# Altium PCB PIFWRobot.PcbDoc (part 1 of 2)
Units mil, origin at the board's own origin, x right, y up, seen from the top; angles counter-clockwise.
Board outline 3937.01 x 2755.91 mil, 2 copper layers (Top Layer, Bottom Layer); 153 components, 152 nets, 627 pads, 229 vias.
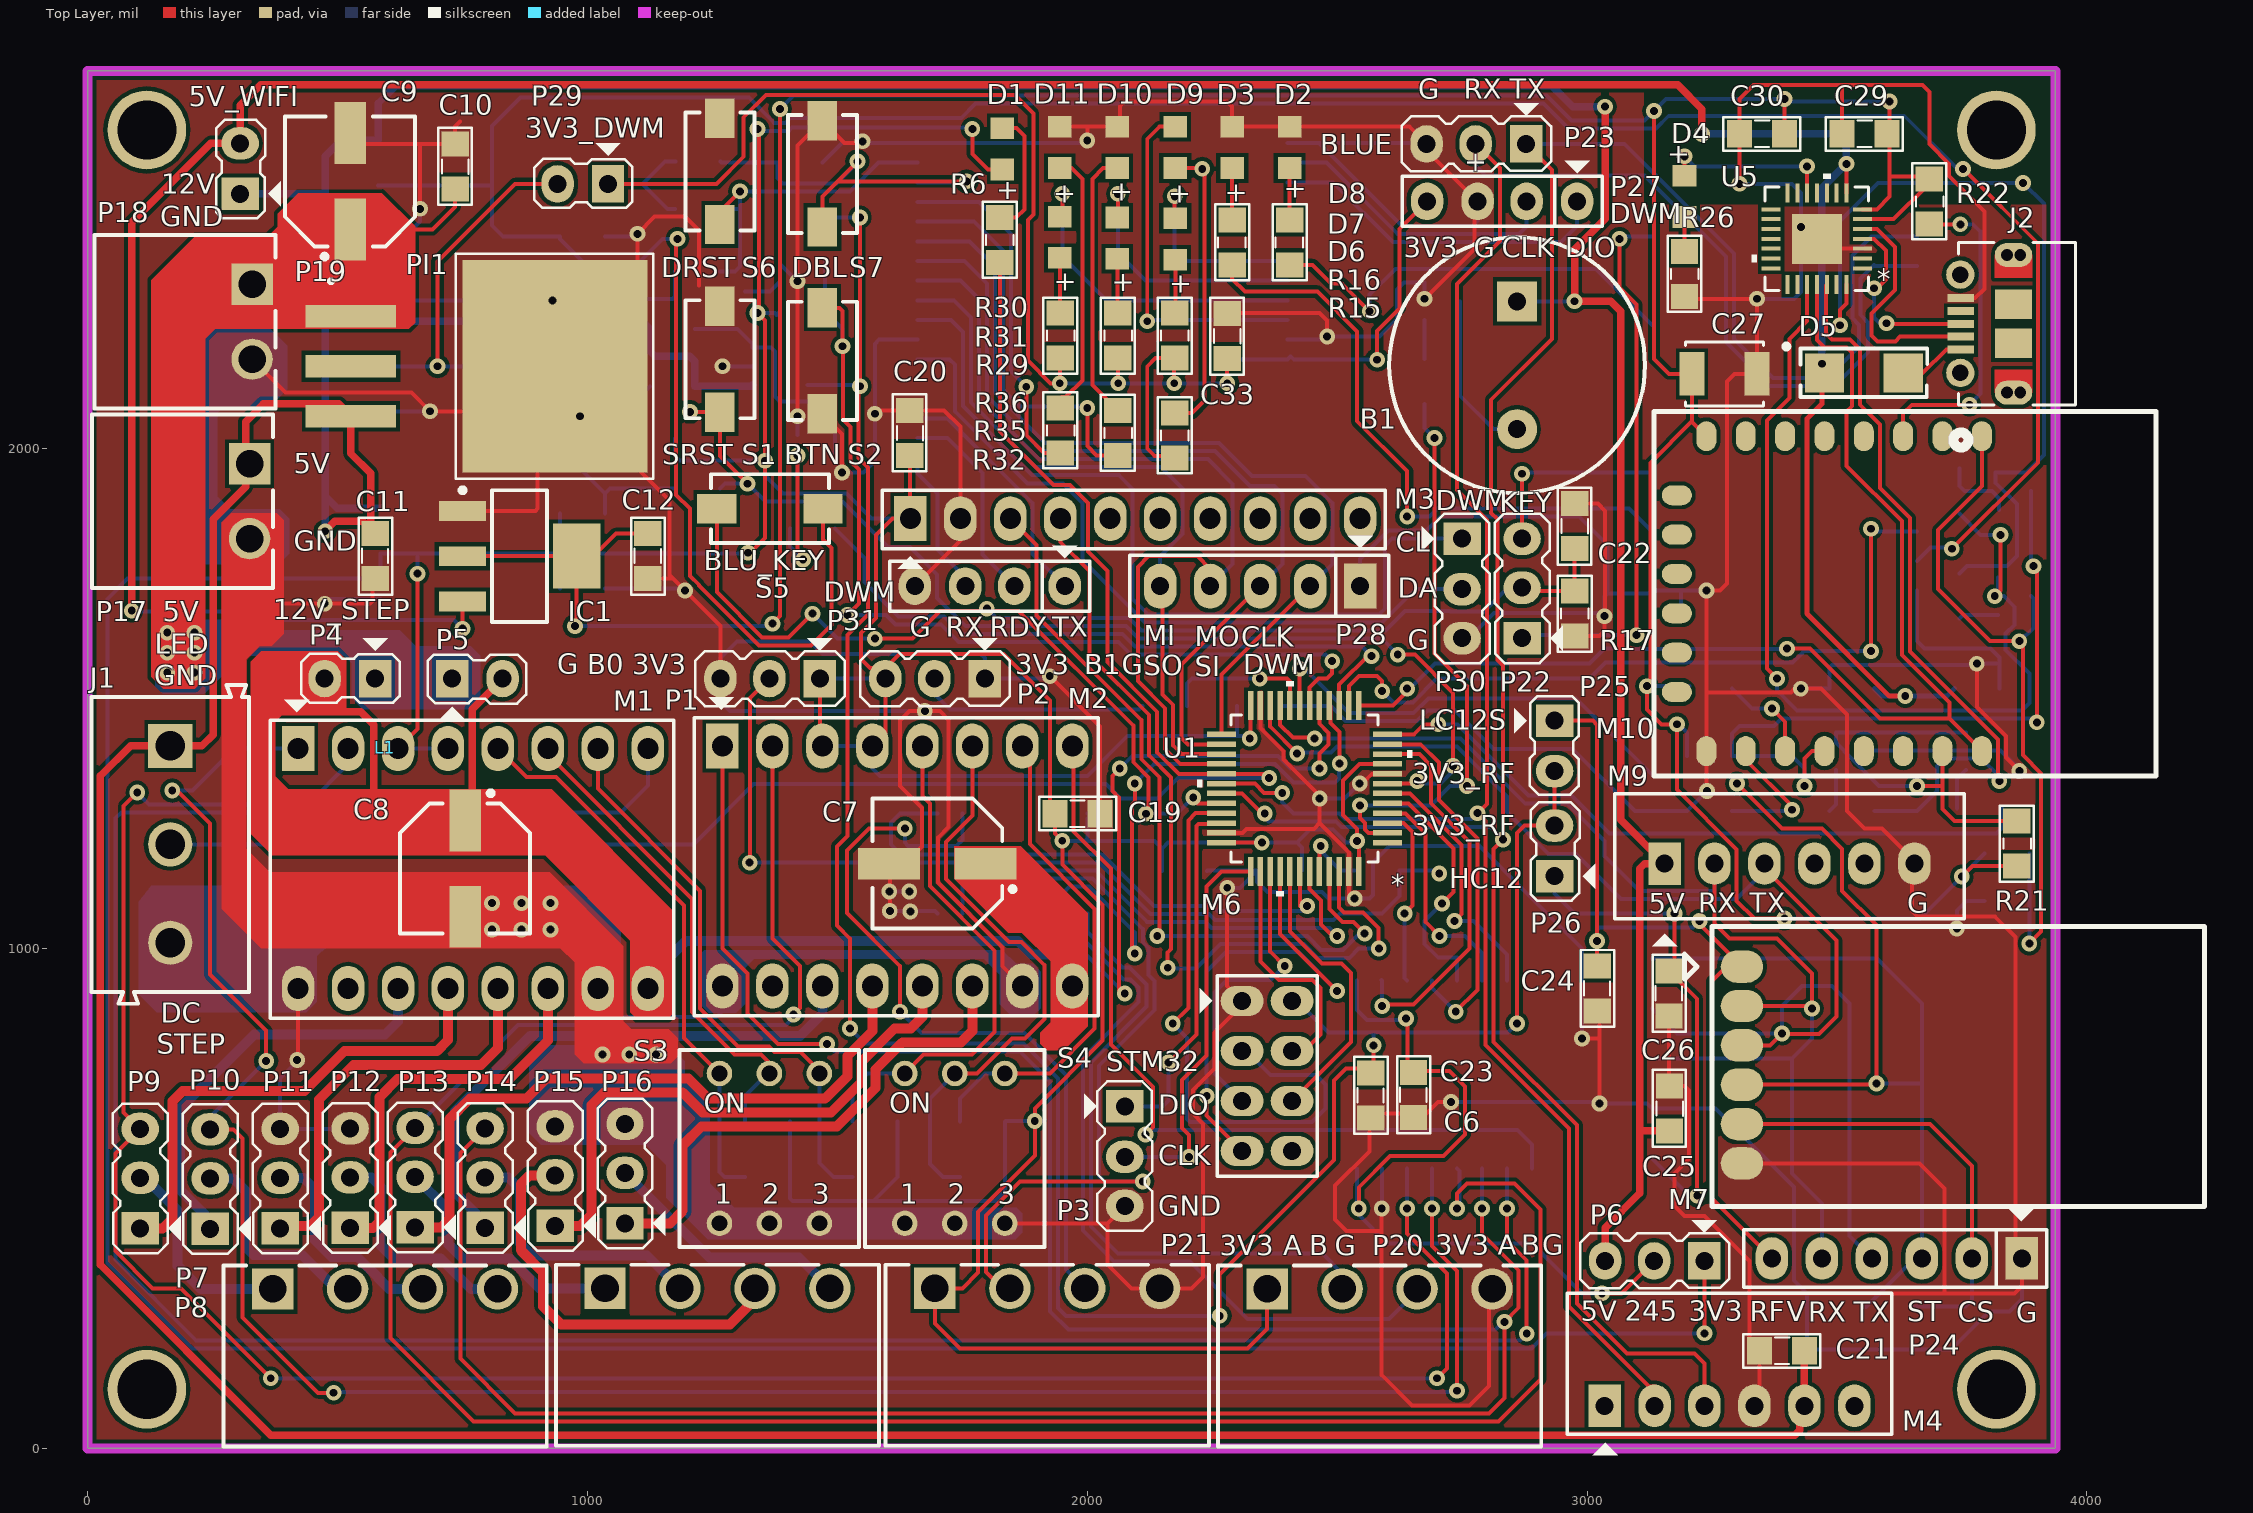
[diagram p0: Top Layer view]
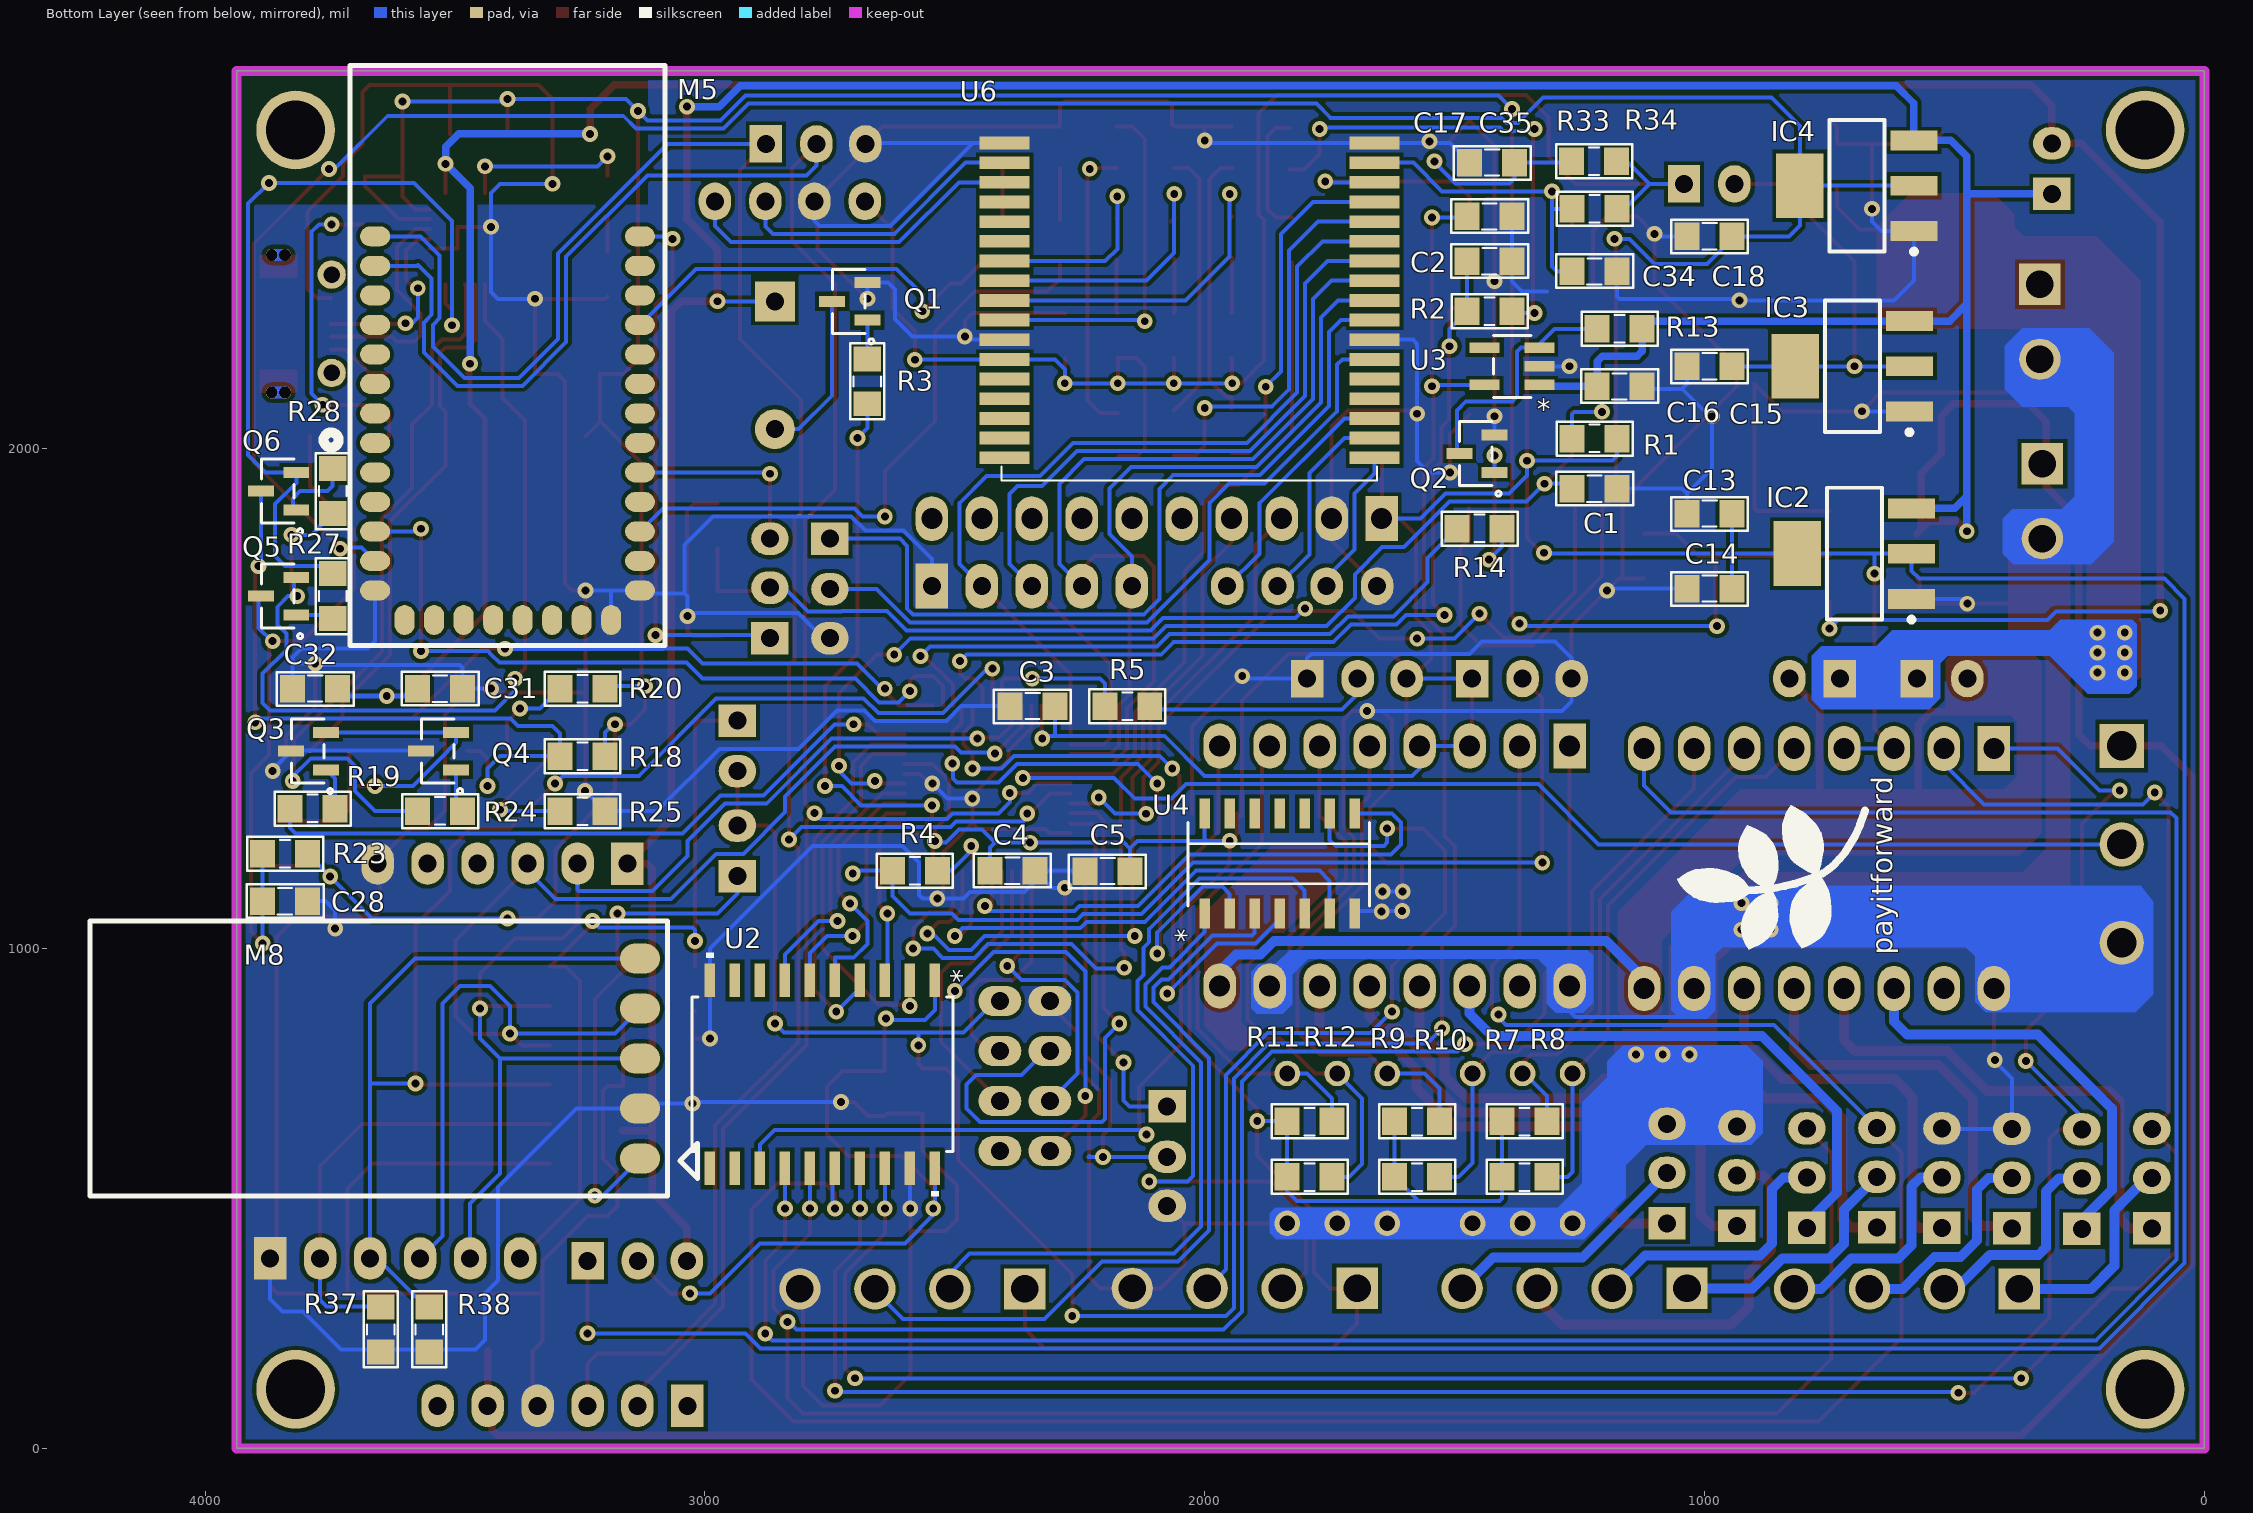
[diagram p1: Bottom Layer view, seen from below]
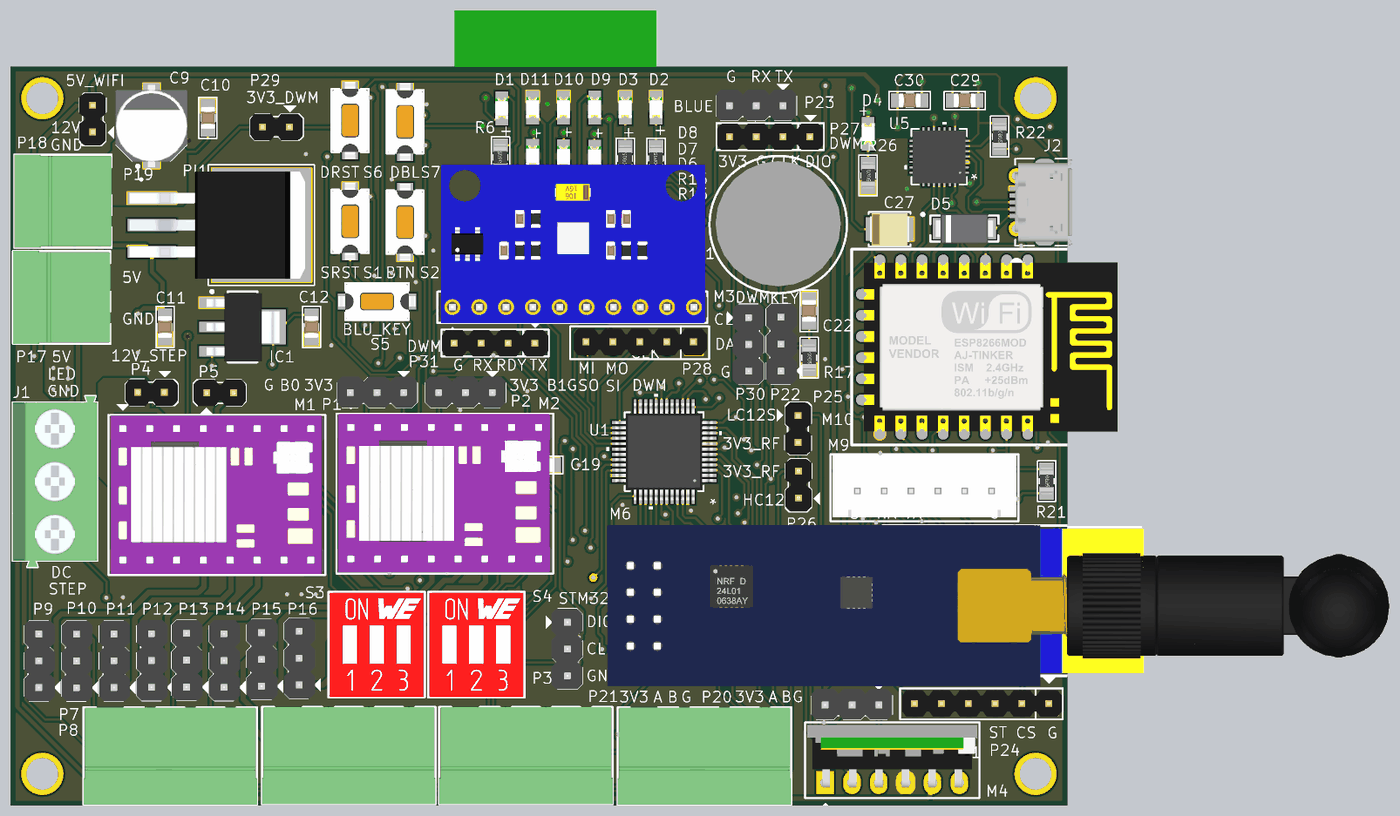
[diagram p3: 3D render of the assembled board from above, using the file's embedded part models]
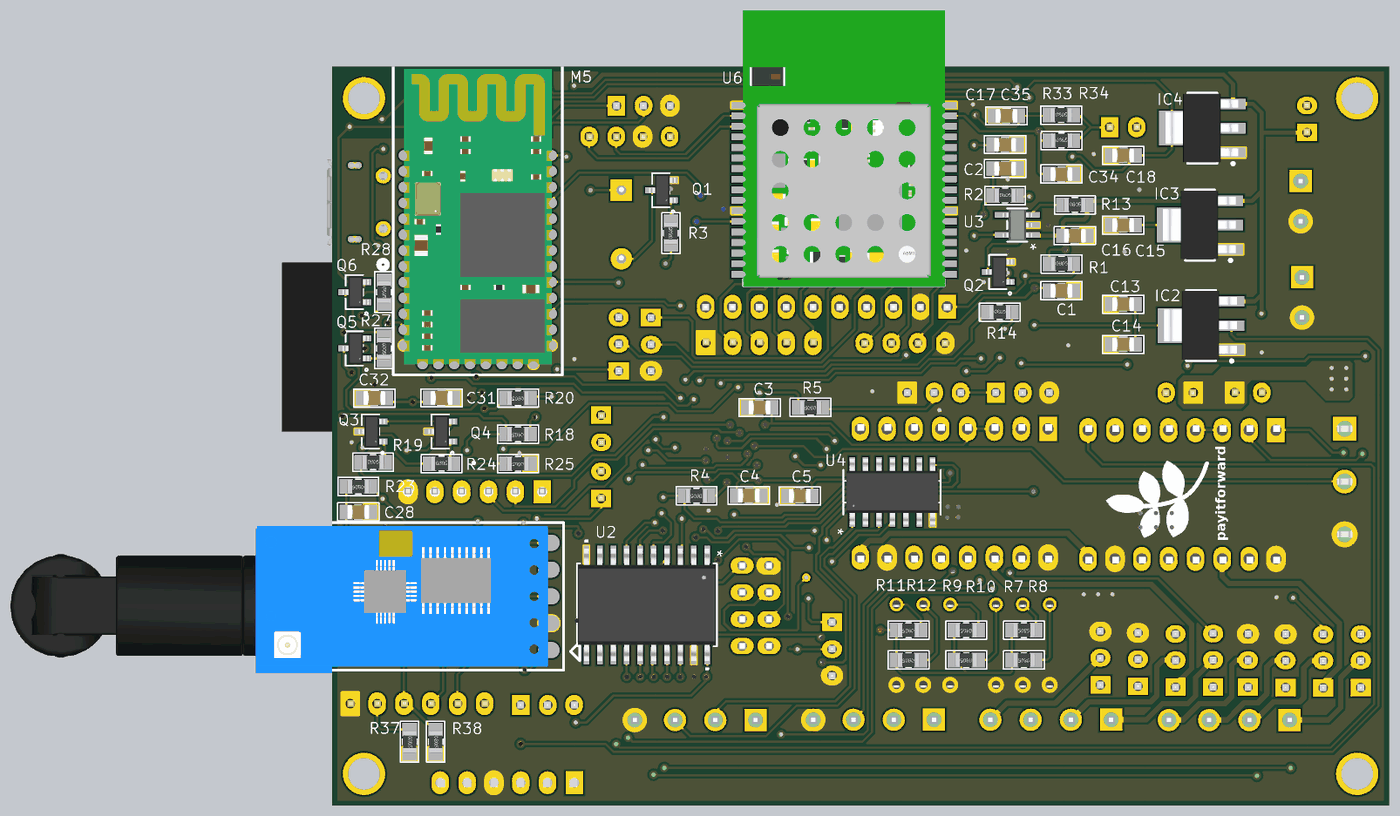
[diagram p4: 3D render of the assembled board from below, using the file's embedded part models]

## Layer stack, top to bottom
Top Solder: solder mask 0.4, Solder Resist, Dk 3.5
Top Layer: signal copper 1.4
Dielectric 1: dielectric 12.6, FR-4, Dk 4.8
Bottom Layer: signal copper 1.4
Bottom Solder: solder mask 0.4, Solder Resist, Dk 3.5

## Board outline
0,0 3937.01,0 3937.01,2755.91 0,2755.91

## Design rules (kind name [scope] priority, off if disabled: settings)
Clearance [All] p1: gap=8 ignorepadtopadclearanceinfootprint=FALSE
DiffPairsRouting [All] p1: maxlimit=10 minlimit=8 mostfreqgap=10 toplayer_minwidth=8 toplayer_maxwidth=15 toplayer_prefwidth=10 bottomlayer_minwidth=8 bottomlayer_maxwidth=15 bottomlayer_prefwidth=10 maxuncoupledlength=500
Height [All] p1: minheight=0 maxheight=10000 prefheight=500
HoleSize [All] p1: absolutevalues=TRUE maxlimit=1000 minlimit=11.81 maxpercent=80.000 minpercent=20.000
HoleToHoleClearance [All] p1: gap=0 allowstackedmicrovias=TRUE
MinimumSolderMaskSliver [All] p1: minsoldermaskwidth=0
PlaneConnect [All] p1: planeconnectstyle=Direct reliefexpansion=20 reliefentries=4 reliefconductorwidth=10 reliefairgap=10
PolygonConnect [All] p1: connectstyle=Direct reliefconductorwidth=10 reliefentries=4 polygonreliefangle="90 Angle" airgapwidth=10
RoutingVias [All] p1: holewidth=15.75 width=31.5 viastyle="Through Hole" minholewidth=15.75 minwidth=31.5 maxholewidth=15.75 maxwidth=31.5
SilkToSilkClearance [All] p1: silktosilkclearance=0
SilkToSolderMaskClearance [IsPad] p1: minsilkscreentomaskgap=0 clearancetoexposedcopper=TRUE
SolderMaskExpansion [All] p1: expansion=4 istentingtop=FALSE
UnRoutedNet [All] p1: checkbadconnections=TRUE
Width [All] p1: maxlimit=20 minlimit=8 preferedwidth=15
21 further rules are at their usual default settings.

## Classes and differential pairs
component class wifi: C27 C28 C29 C30 C31 C32 D4 D5 J2 M10 Q3 Q4 Q5 Q6 Q7 R18 R19 R20 R21 R22 R23 R24 R25 R26 R27 R28 U5
component class decawave: C33 C34 C35 D6 D7 D8 D9 D10 D11 P27 P28 P29 P30 P31 R29 R30 R31 R32 R33 R34 R35 R36 S6 S7 U6
component class bluetooth: C21 C22 D2 D3 M4 M5 P22 P23 R15 R16 R17 S5
component class sensor: C19 C20 M3 P20 P21 U4
component class power_supply: C9 C10 C11 C12 C13 C14 C15 C16 C17 C18 IC1 IC2 IC3 IC4 P17 P18 P19 PI1 Q2 R13 R14 U3
component class motor_controller: C6 C7 C8 M1 M2 P4 P5 P6 P7 P8 P9 P10 P11 P12 P13 P14 P15 P16 R7 R8 R9 R10 R11 R12 S3 S4 U2
component class mcu: B1 C1 C2 C3 C4 C5 D1 J1 L1 P1 P2 P3 Q1 R1 R2 R3 R4 R5 R6 S1 S2 U1
component class radio_frequency: C23 C24 C25 C26 M6 M7 M8 M9 P24 P25 P26 R37 R38
differential pair USB_D: +USB_D_P -USB_D_N

## Components (designator, comment, footprint, x,y, rotation, side; value= is the part's Value field where it differs from the comment)
B1 "Buzzer" BUZZER 2860,2295 r270 top locked
C1 "Cap-100nF-50V-0805" CAP-SM-0805 1175,1920 r0 bottom value=100nF/50V
C2 "Cap-100nF-50V-0805" CAP-SM-0805 1385,2375.59 r0 bottom value=100nF/50V
C3 "Cap-100nF-50V-0805" CAP-SM-0805 2390,1485 r180 bottom value=100nF/50V
C4 "Cap-100nF-50V-0805" CAP-SM-0805 2340,1156 r0 bottom value=100nF/50V
C5 "Cap-100nF-50V-0805" CAP-SM-0805 2240,1155 r180 bottom value=100nF/50V
C6 "Cap-100nF-50V-0805" CAP-SM-0805 2652.75,662 r90 top value=100nF/50V
C7 "Cap-Al-100uF-16V-D6L5" CAP-SM-AL-SIZE-D-D6L6 1700,1170 r180 top locked value=100uF/16V
C8 "Cap-Al-100uF-16V-D6L5" CAP-SM-AL-SIZE-D-D6L6 755,1160 r270 top locked value=100uF/16V
C9 "Cap-Al-100uF-16V-D6L5" CAP-SM-AL-SIZE-D-D6L6 525,2535 r90 top value=100uF/16V
C10 "Cap-10uF-50V-0805" CAP-SM-0805 735,2610 r270 top value=10uF/50V
C11 "Cap-10uF-50V-0805" CAP-SM-0805 575,1740 r90 top value=10uF/50V
C12 "Cap-10uF-50V-0805" CAP-SM-0805 1120.83,1740 r90 top value=10uF/50V
C13 "Cap-10uF-50V-0805" CAP-SM-0805 1035,1870 r180 bottom value=10uF/50V
C14 "Cap-10uF-50V-0805" CAP-SM-0805 1035,1720 r180 bottom value=10uF/50V
C15 "Cap-10uF-50V-0805" CAP-SM-0805 1035,2165 r180 bottom value=10uF/50V
C16 "Cap-100nF-50V-0805" CAP-SM-0805 1125,2125 r0 bottom value=100nF/50V
C17 "Cap-10uF-50V-0805" CAP-SM-0805 1385,2465 r0 bottom value=10uF/50V
C18 "Cap-10uF-50V-0805" CAP-SM-0805 1035,2425 r180 bottom value=10uF/50V
C19 "Cap-100nF-50V-0805" CAP-SM-0805 2025.5,1270 r180 top value=100nF/50V
C20 "Cap-100nF-50V-0805" CAP-SM-0805 1645,2076.61 r270 top value=100nF/50V
C21 "Cap-100nF-50V-0805" CAP-SM-0805 3345,195 r0 top value=100nF/50V
C22 "Cap-100nF-50V-0805" CAP-SM-0805 2975,1890 r270 top value=100nF/50V
C23 "Cap-100nF-50V-0805" CAP-SM-0805 2567,661 r90 top value=100nF/50V
C24 "Cap-100nF-50V-0805" CAP-SM-0805 3020,875 r90 top value=100nF/50V
C25 "Cap-100nF-50V-0805" CAP-SM-0805 3165,725 r270 top value=100nF/50V
C26 "Cap-100nF-50V-0805" CAP-SM-0805 3164,865 r90 top value=100nF/50V
C27 "TAJB107M006RNJ" CAP_SM_TAN 3275,2150 r0 top value=100uF/16V
C28 "Cap-100nF-50V-0805" CAP-SM-0805 3795,1095 r0 bottom value=100nF/50V
C29 "Cap-10uF-50V-0805" CAP-SM-0805 3510,2630 r0 top value=10uF/50V
C30 "Cap-100nF-50V-0805" CAP-SM-0805 3305,2630 r0 top value=100nF/50V
C31 "Cap-10uF-50V-0805" CAP-SM-0805 3485,1520 r0 bottom value=10uF/50V
C32 "Cap-100nF-50V-0805" CAP-SM-0805 3825,1520 r180 bottom value=100nF/50V
C33 "Cap-100nF-50V-0805" CAP-SM-0805 2280,2270.42 r270 top value=100nF/50V
C34 "Cap-100nF-50V-0805" CAP-SM-0805 1175,2355 r0 bottom value=100nF/50V
C35 "Cap-100nF-50V-0805" CAP-SM-0805 1470,2572.44 r180 bottom value=100nF/50V
D1 "Red, 2V" WL-SMCW_0805 1830,2600 r270 top
D2 "Yellow, 2V" WL-SMCW_0805 2405,2602.95 r270 top
D3 "Red, 2V" WL-SMCW_0805 2290,2602.95 r270 top
D4 "Red, 2V" WL-SMCW_0805 3195,2505 r90 top
D5 "SS14" SS14 3553.78,2151.57 r0 top
D6 "Red, 2V" WL-SMCW_0805 2176.07,2419.8 r270 top
D7 "Red, 2V" WL-SMCW_0805 2060,2421.46 r270 top
D8 "Yellow, 2V" WL-SMCW_0805 1945,2423.13 r270 top
D9 "Green, 3.2V" WL-SMCW_0805 2176.07,2602.95 r270 top
D10 "Red, 2V" WL-SMCW_0805 2060,2602.95 r270 top
D11 "Red, 2V" WL-SMCW_0805 1945,2602.95 r270 top
IC1 "AMS1117" SOT223 864.17,1785 r0 top
IC2 "AMS1117" SOT223 700,1790 r0 bottom
IC3 "AMS1117" SOT223 704.17,2165 r0 bottom
IC4 "AMS1117" SOT223 695,2526.26 r0 bottom locked
J1 "691111710003" 691111710003 165,1208.36 r270 top locked
J2 "105017-0001" CONN_105017-0001 3860,2250 r90 top
L1 "LogoPIF" "PIF LOGO BOTTOM OVERLAY" 595,1402 r270 top
M1 "DRV8825" DRV8825 420.83,1400 r270 top locked
M2 "DRV8825" DRV8825 1270,1405 r270 top locked
M3 "GY9250" GY9250 1645.94,1860 r270 top locked
M4 "HC-05-06-TH" HC-05-06-TH 3035,80 r270 top locked
M5 "HC-05-06-SMD" HC-05-06-SMD 3660,1716.34 r180 bottom locked
M6 "NRF24L01" NRF24L01 2310,895 r180 top locked
M7 "LC12S" LC12S 3310,963.7 r180 top locked
M8 "HC12" HC12 3130,580 r180 bottom locked
M9 "Holybro Radio" HOLYBRO-RADIO 3155,1170 r270 top
M10 "ESP8266-12F" ESP8266-12F 3238.82,2025 r270 top locked
P1 "Header 3" JP3 1365,1540 r180 top locked
P2 "Header 3" JP3 1695,1540 r180 top locked
P3 "Header 3" JP3 2075,584 r270 top
P4 "Header 2" JP2 575,1540 r180 top
P5 "Header 2" JP2 729,1540 r0 top
P6 "Header 3" JP3 3135,375 r180 top
P7 "691322310004" 691322310004 595,185 r0 top locked
P8 "691322310004" 691322310004 1260,186.14 r0 top locked
P9 "Header 3" JP3 105,540 r90 top
P10 "Header 3" JP3 245,539 r90 top
P11 "Header 3" JP3 385,540 r90 top
P12 "Header 3" JP3 525,541 r90 top
P13 "Header 3" JP3 655,542 r90 top
P14 "Header 3" JP3 795,541 r90 top
P15 "Header 3" JP3 935,545 r90 top
P16 "Header 3" JP3 1075,550 r90 top
P17 "691322310002" 691322310002 190,1895 r270 top locked
P18 "691322310002" 691322310002 195,2254.06 r270 top locked
P19 "Header 2" JP2 305,2510 r90 top
P20 "691322310004" 691322310004 2585,185 r0 top locked
P21 "691322310004" 691322310004 1920,186.14 r0 top locked
P22 "Header 3" JP3 2870,1721 r90 top
P23 "Header 3" JP3 2778,2610 r180 top
P24 "Header 6" JP6 3870,380 r180 top
P25 "Header 2" JP2 2935,1456 r270 top
P26 "Header 2" JP2 2935,1145 r90 top
P27 "Header 4" JP4 2880,2495 r180 top
P28 "Header 5" JP5 2545.94,1725 r180 top locked
P29 "Header 2" JP2 1041,2530 r180 top
P30 "Header 3" JP3 2750,1720 r270 top
P31 "Header 4" JP4 1855,1725 r180 top locked
PI1 "L7805-SMD" TO254P1435X464-4N 526.54,2265 r270 top locked
Q1 "MMBT3904-1AM" SOT23_NEX 2712.21,2294.98 r90 bottom
Q2 "MMBT3904-1AM" SOT23_NEX 1457.21,1990.06 r90 bottom
Q3 "IRLML6402TRPBF" SOT23_NEX 3795,1395 r90 bottom
Q4 "IRLML6402TRPBF" SOT23_NEX 3535,1395 r90 bottom
Q5 "S8050" SOT23_NEX 3855,1705 r90 bottom
Q6 "S8050" SOT23_NEX 3855,1915 r90 bottom
R1 "Res-10k-0805" RES-SM-0805 1265,2020 r180 bottom value=10K
R2 "Res-10k-0805" RES-SM-0805 1475,2275 r180 bottom value=10K
R3 "Res-15K-0805" RES-SM-0805 2675,2090 r90 bottom value=15K
R4 "Res-100K-0805" RES-SM-0805 2535,1156 r0 bottom value=100K
R5 "Res-100K-0805" RES-SM-0805 2110,1485 r0 bottom value=100K
R6 "Res-1K-0805" RES-SM-0805 1825,2372.8 r90 top value=1K
R7 "Res-1K-0805" RES-SM-0805 1315,543 r0 bottom value=1K
R8 "Res-1K-0805" RES-SM-0805 1315,654 r0 bottom value=1K
R9 "Res-1K-0805" RES-SM-0805 1530,543 r0 bottom value=1K
R10 "Res-1K-0805" RES-SM-0805 1530,654 r0 bottom value=1K
R11 "Res-1K-0805" RES-SM-0805 1745,543 r0 bottom value=1K
R12 "Res-1K-0805" RES-SM-0805 1745,654 r0 bottom value=1K
R13 "Res-4.7K-0805" RES-SM-0805 1215,2240 r180 bottom value=4.7K
R14 "Res-100K-0805" RES-SM-0805 1495,1840 r180 bottom value=100K
R15 "Res-470-0805" RES-SM-0805 2405,2368.03 r90 top value=470
R16 "Res-470-0805" RES-SM-0805 2290,2368.03 r90 top value=470
R17 "Res-10k-0805" RES-SM-0805 2975,1715 r270 top value=10K
R18 "Res-12K-0805" RES-SM-0805 3200,1385 r0 bottom value=12K
R19 "Res-1K-0805" RES-SM-0805 3830,1280 r180 bottom value=1K
R20 "Res-12K-0805" RES-SM-0805 3200,1520 r0 bottom value=12K
R21 "Res-1K-0805" RES-SM-0805 3860,1255 r270 top value=1K
R22 "Res-12K-0805" RES-SM-0805 3685,2540 r270 top value=12K
R23 "Res-12K-0805" RES-SM-0805 3795,1190 r0 bottom value=12K
R24 "Res-1K-0805" RES-SM-0805 3575,1275 r180 bottom value=1K
R25 "Res-12K-0805" RES-SM-0805 3200,1275 r0 bottom value=12K
R26 "Res-1K-0805" RES-SM-0805 3195,2395 r270 top value=1K
R27 "Res-12K-0805" RES-SM-0805 3745,1750 r270 bottom value=12K
R28 "Res-12K-0805" RES-SM-0805 3745,1960 r270 bottom value=12K
R29 "Res-1K-0805" RES-SM-0805 2175,2271.42 r270 top value=1K
R30 "Res-1K-0805" RES-SM-0805 1946.07,2271.42 r270 top value=1K
R31 "Res-1K-0805" RES-SM-0805 2061.07,2271.42 r270 top value=1K
R32 "Res-1K-0805" RES-SM-0805 2175,2071.61 r270 top value=1K
R33 "Res-10k-0805" RES-SM-0805 1265,2480 r180 bottom value=10K
R34 "Res-10k-0805" RES-SM-0805 1266,2575 r180 bottom value=10K
R35 "Res-1K-0805" RES-SM-0805 2061.07,2076.61 r270 top value=1K
R36 "Res-1K-0805" RES-SM-0805 1946.07,2081.61 r270 top value=1K
R37 "Res-1K-0805" RES-SM-0805 3649,283 r270 bottom value=1K
R38 "Res-1K-0805" RES-SM-0805 3552,283 r270 bottom value=1K
S1 "434113043826" 434113043826 1265,2179.05 r270 top
S2 "434113043826" 434113043826 1470,2176 r90 top
S3 "418117170903" 418117170903 1364,600 r0 top locked
S4 "418117170903" 418117170903 1735,600 r0 top locked
S5 "434113043826" 434113043826 1365,1880 r0 top locked
S6 "434113043826" 434113043826 1265,2555 r270 top
S7 "434113043826" 434113043826 1470,2550 r270 top
U1 "STM32F103C8T6" LQFP-48 2435,1320 r180 top locked
U2 "74HC245D,652" SOT163-1_NEX 2540,936 r90 bottom locked
U3 "XC6204B332MR" XC6204/05_SOT-00 1385,2165 r0 bottom
U4 "74HC14D,652" SOT108-1_NEX 2000,1270 r270 bottom value=Value
U5 "CP2102-GM" QFN28_5X5_SIL 3460,2420 r180 top
U6 "DWM1001" DWM1001 2406.85,1936.61 r180 bottom locked
